# Allegro board RK3588S_Template_LP4XD556P164SD10H2_33X33_2133MHz_H1R0_V10_20220315YWQ.brd (continued)
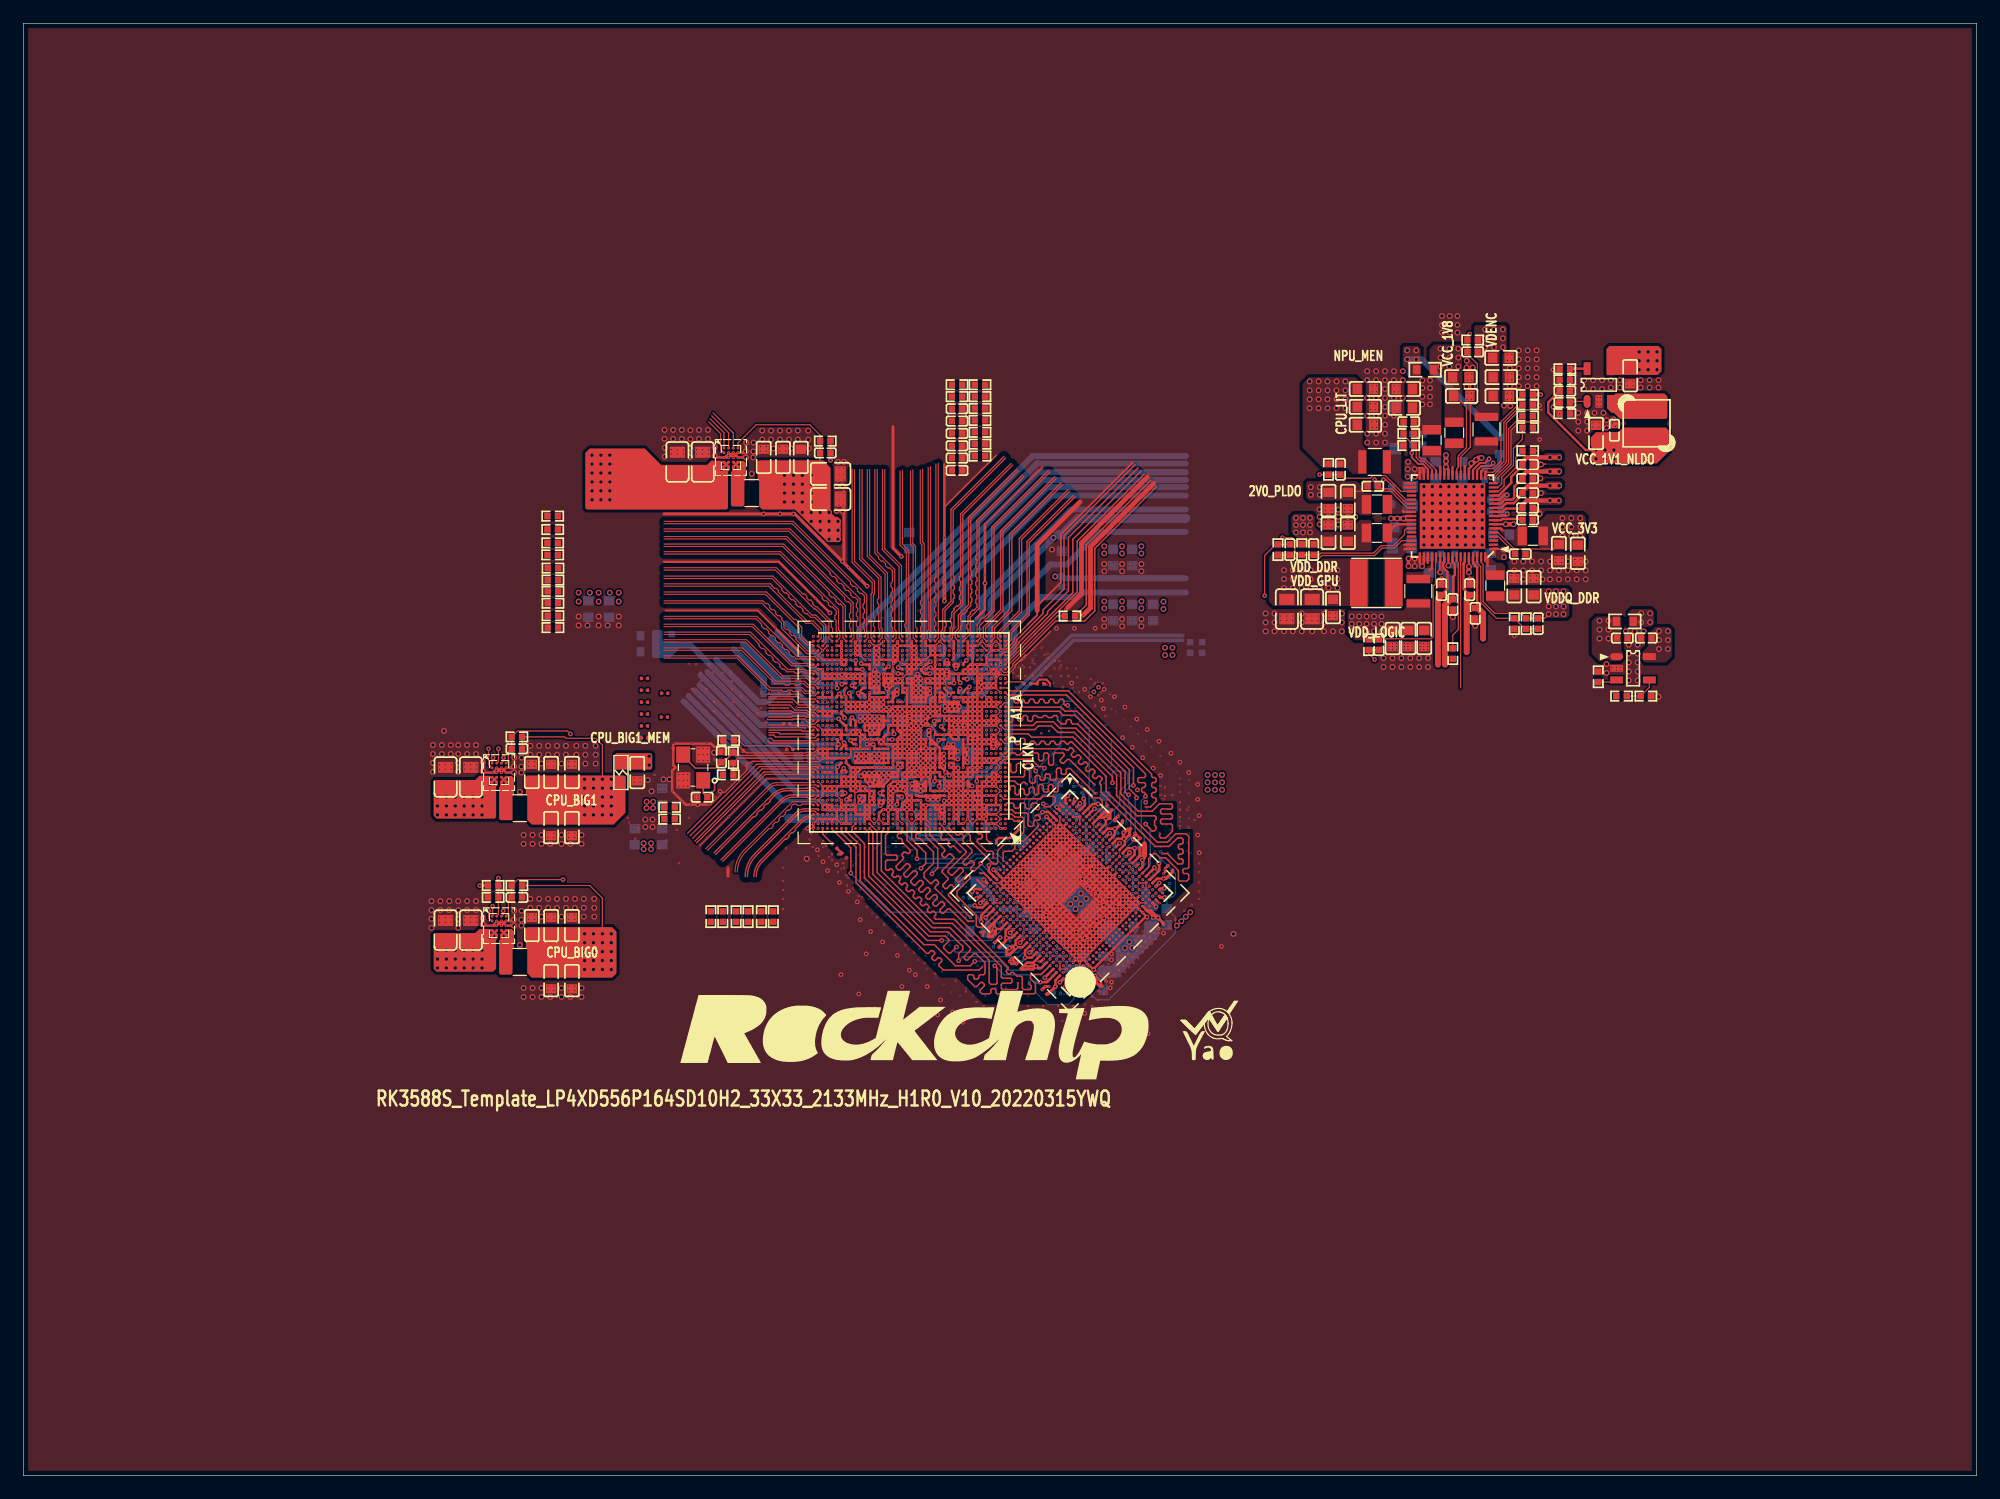
[diagram p0: board, top side]
## Routing (per net, layer and track width the routed paths; a pad name or vN(x,y) marks a point on that pad's centre or on a via; arc(x,y) is an arc through that point) (continued)
  L8-S3 w0.127: v4(77.5,69.04) 77.45,69.04 77.09,68.68 77.09,68.24 77.22,68.11 77.22,68.11
  L8-S3 w0.152: v3(74.8,52.96) 74.93,52.96 ; 74.93,52.96 75.06,52.96 v3(75.18,52.83) v3(75.18,53.21) ; 74.93,52.96 v3(75.18,53.21) ; v3(73.91,53.34) 73.91,53.22 v3(74.04,53.09) ; v3(73.91,53.34) 73.67,53.11 v3(73.51,53.11) ; v3(73.91,53.34) 73.9,53.35 v3(73.9,53.74) ; v3(75.18,53.21) 75.2,53.23 v3(75.2,53.73) ; v3(80.72,69.16) 80.62,69.06 v2(80.62,68.83) ; v6(95.26,57.14) 95.26,57.27 v2(95.12,57.4) ; v2(92.76,64.07) 92.7,64.14 v3(92.46,64.14) ; v3(74.55,53.72) v3(74.55,54.23)
  L8-S3 w0.203: v2(75.54,60.07) 75.54,59.97 75.39,59.82 75.34,59.87 75.32,59.86 v3(75.31,59.86) 75.32,59.84 75.34,59.84 75.39,59.79 75.39,59.69 75.26,59.56 v2(75.27,59.55) 75.26,59.54 75.23,59.54 75.21,59.51 v2(74.78,59.51) 74.7,59.51 v2(74.42,59.23) 74.37,59.18 v2(73.67,59.18) ; v3(80.14,54.93) 80.14,55.24 v2(80.26,55.37) v6(80.77,55.37) v6(81.15,55.37) 81.46,55.37 81.65,55.19 v2(81.65,54.77) ; v2(76.71,68.88) 76.56,68.88 v3(76.43,69.01) 76.43,69.45 v3(76.45,69.47) 76.68,69.7 v2(76.72,69.7) ; v2(75.74,67.72) 75.74,67.56 v6(75.87,67.44) ; v3(83.44,46.99) 83.44,47.02 v2(83.19,47.27) ; v2(75.01,61.04) 75.01,60.93 v3(75.23,60.71) 75.44,60.5 v2(75.49,60.5) ; v3(78.59,62.48) 78.59,62.71 v6(78.61,62.74) 78.84,62.97 v2(78.87,62.97) v2(79.27,62.97) ; v2(81.29,66.26) 81.04,66.01 ; 81.04,66.01 v3(80.7,66.01) ; 81.04,66.01 81.03,66 v3(81.03,65.99) 80.72,65.99 v3(80.7,66.01) ; v3(70.54,60.47) 72.14,60.47 v3(72.16,60.45) 72.24,60.45 72.26,60.47 72.88,60.47 72.9,60.45 ; v3(80.7,66.01) 80.7,66.04 v2(80.48,66.25) ; 72.19,56.08 72.07,56.08 72,56.01 v6(71.75,56.01) ; 72.19,56.08 72.29,56.08 ; 72.19,56.08 v6(72.01,56.26) ; 78.26,59.46 78.26,59.52 v2(78.44,59.71) 78.49,59.66 78.49,59.41 ; v6(69.09,62.36) 69.37,62.08 v3(69.47,62.08) 69.82,62.08 v3(69.85,62.1) 69.93,62.18 70.39,62.18 v2(70.54,62.33) ; v2(75.11,66.9) 75.11,67.13 v3(75.18,67.21) ; v2(73.56,62.43) 73.55,62.42 v2(73.12,62.42) ; v4(80.42,64.11) 80.42,64.11 v3(79.88,64.64) 79.76,64.77 79.76,65.2 v2(79.72,65.24) ; v2(70.84,60.71) 73.63,60.71 v2(73.69,60.76) ; v3(78.1,63.53) v3(78.1,63.32) ; v3(79.67,72.52) v2(79.67,72.19) ; v3(80.64,71.15) v2(80.85,70.94)
  L8-S3 w0.254: v2(68.66,54.1) 68.02,53.47 v4(67.84,53.47) 67.84,52.74 79.58,41 87.69,41 v2(87.77,41.07) ; v2(80.43,52.41) v6(80.43,52.07) 80.51,52 80.51,51.07 v3(80.52,51.05) ; v6(81.28,51.74) v6(81.28,52.07) 81.28,52.4 v2(81.28,52.4) ; v6(85.98,53.98) v6(86.23,53.72) v6(86.74,53.21) v6(87.13,52.82) 87.13,48.64 v4(86.87,48.38) ; v2(90.26,55.72) v3(89.92,55.72) ; v2(67.89,57.96) v2(67.39,57.96) v2(66.88,57.96) ; v2(67.89,57.96) 67.73,57.8 v6(67.13,57.8) 67.04,57.8 ; v2(67.89,57.96) 67.82,58.04 66.71,58.04 66.63,57.96 ; 66.63,57.96 v6(66.58,57.91) 66.69,57.8 67.04,57.8 ; 66.63,57.96 v2(66.88,57.96) ; v2(66.88,57.96) 67.04,57.8 ; v2(83.47,48.94) v3(83.47,49.28) ; 70.84,60.71 v2(70.84,60.71) ; v2(96.8,49.25) 96.9,49.36 v3(96.9,49.56) ; v2(89.94,42.4) 89.87,42.4 89.83,42.36 v3(89.64,42.36) ; v2(93.09,58.55) 92.96,58.55 v3(92.77,58.74) v3(92.33,59.18) v3(91.44,60.07)
  L8-S3 w0.305: v3(73.66,63.63) 73.79,63.75 v2(73.94,63.75)
  L9-GND3 w0.064: v4(80.04,67.74) 80.48,67.74 80.51,67.72 80.78,67.72 80.81,67.74 81.74,67.74 81.76,67.77 v4(81.79,67.77) ; 80.31,61.82 80.31,62.13 80.11,62.33 ; v6(71.25,65.28) 71.25,65.08 71.17,65 71.17,63.66 71.4,63.43 v4(71.4,63.35)
  L9-GND3 w0.076: v3(71.28,67.45) 70.97,67.15 70.97,66.66 v3(70.82,66.5) ; v10(80.3,49.39) 81.02,49.39 81.42,49.79 v6(81.51,49.79) ; 80.88,61.69 80.47,61.69 ; 89.95,46.07 89.95,45.28 v4(89.97,45.26) ; 72.42,61.98 72.36,61.92 72.36,61.1 72.64,60.81 72.67,60.81 ; v4(80.04,67.74) 79.62,67.33 v10(79.62,66.62) ; v6(94.36,57.53) 94.77,57.94 94.77,58.17 v4(95.18,58.59) 95.45,58.32 95.45,57.97 v4(95.88,57.53) ; 80.21,61.54 80.21,61.24 80.26,61.19 80.26,61.21 ; 79.84,62.3 79.77,62.3 79.71,62.23 79.67,62.23 79.43,61.99 v6(79.38,61.99) ; v3(81.71,51.46) 82.15,51.9 82.15,52.29 82.35,52.49 82.74,52.49 83.06,52.81 v6(83.06,52.96) ; v6(88.77,57.15) 88.78,57.15 89.54,57.91 89.54,57.93 89.74,58.12 89.75,58.12 90.04,58.42 v10(90.04,58.93) 90.22,58.75 90.22,57.48 v4(90.27,57.43) ; 76.25,58.39 76.25,58.57 76.33,58.65 76.33,59.28 76.53,59.49 ; 70.33,67.23 70.1,67.01 70.1,66.65 ; v10(86.27,44.63) 86.67,44.63 86.93,44.37 v10(87.74,44.37)
  L9-GND3 w0.102: v3(77.44,67.86) 77.02,67.44 77.02,66.27 v6(76.99,66.24) ; v6(73.02,64.01) 73,64.03 v6(72.54,64.03) 71.02,64.03 v3(70.92,63.93) ; v3(97.93,50) 97.75,49.82 97.19,49.82 96.93,49.56 v3(96.9,49.56) ; 79.18,60.44 78.97,60.44 78.92,60.5 78.38,60.5 78.36,60.52 78.26,60.42 ; v6(87.38,58.42) 86.84,58.96 86.84,60.05 86.84,60.06 86.84,60.4 v3(86.84,60.41) 86.84,60.74 v6(86.11,61.47) v6(85.85,61.72) ; 80.24,60.8 80.24,61.1 ; 74.6,57.78 74.75,57.78 75.03,57.51 75.06,57.51 ; 72.12,64 72.14,64 72.22,64.08 73.39,64.08 73.46,64.15 ; 80.47,61.69 80.42,61.69 ; v3(89.64,42.36) 89.42,42.14 89.42,41.43 v3(89.19,41.2) ; 78.87,68.85 78.79,68.85 78.69,68.75 v3(78.69,68.73) ; v10(80.39,66.29) 81.21,67.11 81.62,67.11 v4(81.87,67.36) ; 90.54,45.71 90.32,45.71 89.95,46.07 v4(89.95,46.44) ; 77.98,65.81 78,65.79 78.14,65.79 78.5,66.16 79.03,66.16 ; 72.09,59.58 72.19,59.68 72.92,59.68 74.13,58.47 v4(74.32,58.47) ; v4(93.93,49.22) 93.92,49.23 v4(92.75,49.23) ; 72.47,62.02 73.59,62.02
  BOTTOM w0.064: R1400.2 79.58,72.52 v3(79.67,72.52) ; 70.43,63.68 70.35,63.68 v3(70.33,63.7) ; 70.43,63.68 70.48,63.68 ; 70.43,63.68 C1023.2 ; v3(93.95,55.82) 93.89,55.77 93.89,55.68 v10(93.77,55.56) ; v3(79.2,64.82) 79.23,64.85 79.23,65.23 C1022.2 ; v3(93.19,52.91) 93.19,53.08 v3(93.24,53.12) ; 75.88,61.11 76.17,61.11 76.2,61.09 v3(76.33,61.09) ; v3(71.5,63.04) 71.55,63.04 71.7,63.19 71.78,63.19 C1025.2 ; C3741.2 91.98,55.59 91.85,55.73 v3(91.82,55.73) ; 71.88,59.21 71.73,59.21 v10(71.63,59.31) ; 77.44,67.81 77.58,67.81 v3(77.62,67.77) ; 70.62,68.96 70.62,68.99 C1611.2 ; v3(78.99,63.75) 79.12,63.63 79.12,63.52 ; C1029.2 70.96,63.91 70.94,63.93 v3(70.92,63.93) ; v3(70.87,70.87) 70.91,70.91 71.03,70.91 ; C1800.2 69.09,57.74 69.17,57.74 69.21,57.78 v3(69.34,57.78) ; 77.35,61.42 77.22,61.42 77.01,61.21 v3(76.99,61.21) 77.11,61.34 C1030.2
  BOTTOM w0.076: 92.08,55.85 91.79,56.14 91.79,56.29 91.57,56.51 v3(91.57,56.52)
  BOTTOM w0.102: 70.99,68.34 70.99,68.2 71,68.2 ; 70.99,68.34 71.02,68.36 ; 70.99,68.34 70.74,68.34 ; v3(72.9,66.42) 72.9,66.26 72.79,66.14 72.79,65.87 ; 71.91,59.21 71.88,59.21 C1003.2 ; C1017.2 71.82,67.52 71.82,67.55 ; 72.85,65.7 C1038.2 72.85,66.14 72.85,66.14 ; 72.85,65.7 72.85,65.3 72.86,65.29 v3(72.86,65.28) ; 72.85,65.7 73.01,65.7 73.41,65.3 v3(73.41,65.18) ; 70.87,68.33 70.87,68.3 70.97,68.2 71,68.2 ; 70.87,68.33 70.76,68.22 v3(70.74,68.22) ; 70.87,68.33 C1907.2 70.87,68.36 ; 78.13,67.61 77.88,67.36 77.88,67.38 77.88,67.39 v3(77.88,67.31) 77.88,67.03 v3(77.85,67.01) 77.93,67.01 77.95,67.03 78.11,67.03 ; v3(72.03,67.82) 72.03,67.73 71.85,67.55 71.82,67.55 ; v3(77.91,65.74) 77.91,65.75 78.43,66.27 v3(78.43,66.37) ; v3(85.72,55.24) 85.54,55.43 85.54,56.38 v3(85.54,56.39) v3(85.54,56.76) 85.54,57.85 86.23,58.54 86.23,59.57 86.11,59.69 86.11,60.04 v3(86.05,60.1) 86.05,60.22 86.4,60.58 86.8,60.58 v3(87.79,61.56) 88.58,62.36 v3(88.65,62.36) 88.65,65.76 89.05,66.17 89.66,66.17 92.96,62.87 92.96,60.71 92.71,60.45 v3(92.71,60.45) ; 78.11,67.03 78.13,67.01 ; 78.11,67.03 C1714.2 ; 70.39,63.83 70.39,63.77 70.48,63.68 70.48,63.8 v3(70.51,63.83) ; v3(82.93,55.24) 82.93,55.41 82.91,55.44 82.91,55.56 82.91,55.56 82.91,55.71 82.61,56.01 82.34,56.01 v4(82.23,56.13) ; 71,68.2 v3(71.08,68.2) ; v10(87.76,46.74) 87.7,46.68 v10(87.31,46.68) ; v10(66.93,61.98) 67.03,62.08 v3(69.47,62.08) ; v3(70.48,68.2) 70.32,68.36 70.26,68.36 ; C1600.2 70.26,68.36 ; 70.26,68.36 70.26,68.57 v3(70.15,68.68) ; 71.82,67.55 71.37,67.55 v3(71.28,67.45) ; v3(70.67,66.29) 70.67,66.35 v3(70.82,66.5) ; 70.62,68.99 70.59,68.99 70.49,68.88 v3(70.49,68.83) 70.62,68.96 70.62,68.86
  BOTTOM w0.152: 71.91,59.21 v10(72.11,59.41) ; v3(78.82,64.87) 78.58,64.87 78.23,65.22 v4(78.21,65.22) ; v3(82.68,47.75) 82.71,47.75 83.35,47.12
  BOTTOM w0.203: v4(73.9,67.91) 73.9,67.91 74.05,67.76 v3(74.05,67.51) ; 72.49,60.47 v3(72.52,60.45) ; 72.49,60.47 72.22,60.47 ; 72.49,60.47 72.54,60.47 72.83,60.76 ; v3(77.42,62.23) 77.42,62.57 77.79,62.94 77.79,63.25 77.96,63.42 ; 80.19,68.7 80.37,68.53 v10(80.42,68.53) ; 80.19,68.7 80.19,68.73 ; 80.19,68.7 80.19,68.66 v3(80.04,68.5) ; 70.36,56.77 70.83,56.77 v3(70.86,56.79) ; 70.36,56.77 v10(70.48,56.9) 70.69,57.1 v3(70.74,57.1) 70.74,57.31 v3(70.84,57.4) 70.86,57.39 v3(70.86,56.79) ; 70.36,56.77 v3(69.6,56.77) v3(69.21,56.77) v3(68.58,56.77) ; v3(70.86,56.79) 70.99,56.93 v3(70.99,57.1) 70.99,57.71 v10(71.02,57.73) ; v3(71.04,60.48) 71.35,60.48 v3(71.35,60.48) 71.38,60.45 71.61,60.45 71.63,60.47 ; C1015.2 71.63,60.47 ; 71.63,60.47 v3(71.89,60.47) 72.14,60.47 v3(72.16,60.45) ; 80.19,68.73 C1725.2 ; 80.19,68.73 80.19,68.76 ; v10(75.86,59.89) 75.39,59.79 ; 75.39,59.79 75.34,59.84 75.32,59.84 v3(75.31,59.86) ; 75.39,59.79 75.39,59.56 v3(74.97,59.14) v10(75.06,58.93) ; v3(73.76,66.45) v3(73.76,66.83) 73.77,66.83 v4(73.77,67.23) ; 72.83,60.76 72.85,60.79 v10(73.13,60.79) ; 72.83,60.76 C1075.2 ; v4(73.03,70.15) 73.05,70.15 73.3,69.9 ; v3(78.59,62.48) 78.61,62.51 78.61,63.1 79.04,63.52 79.12,63.52 C1221.2 ; v4(73.9,68.32) 73.89,68.32 73.77,68.2 73.59,68.2 C1041.2 ; 79.88,60.48 v4(79.86,60.45) 79.65,60.45 79.45,60.66 v3(79.45,60.74) 79.47,60.76 v3(79.88,60.76) 79.88,60.48
  BOTTOM w0.254: v10(83.29,51.93) 83.13,51.78 v4(82.89,51.78) ; v10(73.13,60.79) 73.52,60.79 v10(73.57,60.84) ; C1103.2 74.65,62.35 73.84,62.35 73.78,62.41 73.79,62.41 73.79,62.99 73.63,63.15 C1104.2 73.63,63.59 v3(73.66,63.63) ; v10(90.07,56.97) 90.27,57.16 v4(90.27,57.43) ; v4(81.76,48.92) 82.03,48.92 v10(82.25,49.14) ; v4(87.42,56.3) v10(87.17,56.05) C3720.2 ; v10(93.13,54.51) 93.13,54.57 v4(92.81,54.89) ; 71,60.47 v3(70.54,60.47) ; v10(84.68,46.09) 84.59,46.09 v4(84.3,46.38) ; 68.48,66.34 v10(68.15,66.34)
  BOTTOM w0.279: C1224.2 78.57,62.46 v3(78.59,62.48)
  vias: v1(35.54,60.75) v1(35.54,60.36) v1(35.54,47.66) v1(35.54,47.28) v1(36.05,60.75) v1(36.05,60.36) v1(36.05,47.66) v1(36.05,47.28) v1(36.56,60.75) v1(36.56,60.36) v1(36.56,47.66) v1(36.56,47.28) v1(37.7,60.75) v1(37.7,60.36) v1(37.7,47.66) v1(37.7,47.28) v1(38.21,60.75) v1(38.21,60.36) v1(38.21,47.66) v1(38.21,47.28) v1(38.72,60.75) v1(38.72,60.36) v1(38.72,47.66) v1(38.72,47.28) v1(43.16,61) v1(43.16,60.62) v1(43.16,47.92) v1(43.16,47.54) v1(43.67,61) v1(43.67,60.62) v1(43.67,47.92) v1(43.67,47.54) v1(44.81,61) v1(44.81,60.62) v1(44.81,54.9) v1(44.81,54.52) v1(44.81,47.92) v1(44.81,47.54) v1(44.81,41.82) v1(44.81,41.44) v1(45.32,61) v1(45.32,60.62) v1(45.32,54.9) v1(45.32,54.52) v1(45.32,47.92) v1(45.32,47.54) v1(45.32,41.82) v1(45.32,41.44) v1(46.59,61) v1(46.59,60.62) v1(46.59,54.9) v1(46.59,54.52) v1(46.59,47.92) v1(46.59,47.54) v1(46.59,41.82) v1(46.59,41.44) v1(47.1,61) v1(47.1,60.62) v1(47.1,54.9) v1(47.1,54.52) v1(47.1,47.92) v1(47.1,47.54) v1(47.1,41.82) v1(47.1,41.44) v1(51.64,56.18) v1(51.77,55.8) v1(52.18,59.6) v1(52.18,59.22) v1(52.27,54.41) v1(52.53,55.3) v1(52.69,59.6) v1(52.69,59.22) v1(53.04,58.98) v1(53.92,59.87) v1(54.31,53.64) v1(54.94,54.28) v1(55.35,87.67) v1(55.35,87.29) v1(55.83,55.17) v1(55.86,87.67) v1(55.86,87.29) v1(56,59.91) v1(56,59.4) v1(56,58.89) v1(56.01,52.32) v1(56.37,87.67) v1(56.37,87.29) v1(56.38,59.91) v1(56.38,59.4) v1(56.38,58.89) v1(56.76,59.91) v1(56.76,59.4) v1(56.76,58.89) v1(56.85,56.18) v1(57.39,58.13) v1(57.39,57.88) v1(57.51,87.67) v1(57.51,87.29) v1(57.7,62.12) v1(57.7,61.61) v1(57.7,61.1) v1(57.65,58.13) v1(57.65,57.88) v1(58.02,87.67) v1(58.02,87.29) v1(58.08,62.12) v1(58.08,61.61) v1(58.08,61.1) v1(58.53,87.67) v1(58.53,87.29) v1(58.46,62.12) v1(58.46,61.61) v1(58.46,61.1) v1(59.13,57.96) v1(59.81,61.94) v1(59.81,61.69) v1(60.83,56.9) v1(62.97,87.92) v1(62.97,87.54) v1(63,65.58) v1(63.48,87.92) v1(63.48,87.54) v1(64.63,87.92) v1(64.63,87.54) v1(64.9,51.94) v1(64.9,50.8) v1(64.9,50.04) v1(64.9,49.28) v1(64.9,48.39) v1(65.13,87.92) v1(65.13,87.54) v1(67.18,54.36) v1(67.44,53.72) v1(67.94,52.96) v1(68.33,54.23) v1(68.55,53.8) v1(68.83,52.83) v1(69.09,53.09) v1(69.09,52.58) v1(69.6,51.56) v1(69.68,86.09) v1(69.68,85.58) v1(69.68,85.07) v1(69.68,83.93) v1(69.68,83.42) v1(69.68,82.91) v1(70.06,86.09) v1(70.06,85.58) v1(70.06,85.07) v1(70.06,83.93) v1(70.06,83.42) v1(70.06,82.91) v1(70.31,51.31) v1(70.36,50.42) v1(70.48,51.05) v1(70.66,60.45) v1(70.87,50.16) v1(71.37,49.53) v1(71.63,49.4) v1(71.89,62.1) v1(76.33,69.7) v1(77.88,66.88) v1(77.98,68.07) v1(80.69,60.1) v1(81.08,60.07) v1(81.08,58.17) v1(81.49,66.5) v1(81.89,62.5) v1(82.98,45.59) v1(83.48,70.5) v1(83.89,71.7) v1(86.33,70.65) v1(86.99,70.74) v1(86.99,68.31) v1(87.25,70.1) v1(87.5,70.23) v1(87.5,69.85) v1(87.76,68.31) v1(88.14,69.6) v1(88.26,48.26) v1(88.39,47.37) v1(88.52,69.6) v1(88.52,68.96) v1(88.52,48.01) v1(88.65,69.22) v1(88.65,68.31) v1(88.77,48.26) v1(88.77,47.75) v1(88.77,38.86) v1(89.03,48.51) v1(89.03,47.62) v1(89.1,55.16) v1(89.15,68.96) v1(89.28,68.31) v1(89.28,48.26) v1(89.41,47.88) v1(89.53,47.14) v1(89.92,68.96) v1(90.04,68.2) v1(90.2,47.37) v1(90.3,46.48) v1(90.5,47.12) v1(90.55,48.26) v1(90.68,47.88) v1(90.68,46.61) v1(90.93,47.24) v1(91.06,49.78) v1(91.06,48.64) v1(91.06,48.26) v1(91.06,47.62) v1(91.19,68.07) v1(91.44,49.91) v1(91.44,49.53) v1(91.44,49.15) v1(91.57,67.69) v1(91.57,48.51) v1(91.69,50.16) v1(91.69,48.01) v1(91.82,40.64) v1(91.95,50.55) v1(91.95,48.89) v1(92.07,66.93) v1(92.07,50.29) v1(92.07,48.01) v1(92.2,67.69) v1(92.2,48.39) v1(92.33,41.15) v1(92.58,50.29) v1(92.58,44.32) v1(92.71,43.69) v1(92.84,43.05) v1(92.84,42.55) v1(93.22,42.8) v1(93.34,43.56) v1(93.47,44.07) v1(93.6,44.83) v1(93.6,43.18) v1(93.73,42.67) v1(93.85,44.45) v1(93.98,43.56) v1(94.11,43.05) v1(94.36,44.58) v1(94.36,43.94) v1(94.49,43.43) v1(94.74,44.32) v1(94.87,43.81) v1(95,46.36) v1(95,45.72) v1(95.12,44.83) v1(95.25,46.86) v1(95.25,46.1) v1(95.25,45.34) v1(95.25,44.2) v1(95.5,45.21) v1(95.63,46.48) v1(95.63,44.7) v1(95.76,46.1) v1(95.88,45.59) v1(96.01,45.09) v1(96.14,46.48) v1(96.27,45.97) v1(96.39,45.47) v1(96.65,46.36) v1(96.77,45.85) v1(97.03,46.36) v1(97.16,58.17) v1(97.41,57.78) v1(100.46,52.32) v1(100.46,51.56) v1(100.46,50.67) v1(100.46,49.91) v1(107.42,73.45) v1(107.42,73.06) v1(107.93,73.45) v1(107.93,73.06) v1(108.44,73.45) v1(108.44,73.06) v1(109.58,73.45) v1(109.58,73.06) v1(110.09,73.45) v1(110.09,73.06) v1(110.6,73.45) v1(110.6,73.06) v1(111.23,82.84) v1(111.23,82.46) v1(111.23,81.45) v1(111.23,81.07) v1(111.62,73.7) v1(111.62,73.32) v1(111.74,82.84) v1(111.74,82.46) v1(111.74,81.45) v1(111.74,81.07) v1(112.12,73.7) v1(112.12,73.32) v1(112.89,82.84) v1(112.89,82.46) v1(112.89,81.45) v1(112.89,81.07) v1(113.39,82.84) v1(113.39,82.46) v1(113.39,81.45) v1(113.39,81.07) v1(114.84,84.53) v1(115.1,91.58) v1(115.1,91.08) v1(115.23,93.11) v1(115.23,92.6) v1(115.23,90.06) v1(115.23,89.55) v1(115.48,91.58) v1(115.48,91.08) v1(115.61,93.11) v1(115.61,92.6) v1(115.61,90.06) v1(115.61,89.55) v1(117.13,93.11) v1(117.13,92.6) v1(117.13,91.46) v1(117.13,90.95) v1(117.35,88.27) v1(117.51,93.11) v1(117.51,92.6) v1(117.51,91.46) v1(117.51,90.95) v1(123.36,94.12) v1(123.36,93.62) v1(123.36,92.47) v1(123.36,91.97) v1(123.74,94.12) v1(123.74,93.62) v1(123.74,92.47) v1(123.74,91.97) v1(126.79,95.78) v1(126.79,95.27) v1(126.79,94.12) v1(126.79,93.62) v1(126.79,92.47) v1(126.79,91.97) v1(127.11,76.87) v1(127.11,76.49) v1(127.17,95.78) v1(127.17,95.27) v1(127.17,94.12) v1(127.17,93.62) v1(127.17,92.47) v1(127.17,91.97) v1(127.62,76.87) v1(127.62,76.49) v1(128.76,76.87) v1(128.76,76.49) v1(129.27,76.87) v1(129.27,76.49) v1(130.92,78.4) v1(130.92,78.02) v1(131.43,78.4) v1(131.43,78.02) v1(132.57,78.27) v1(132.57,77.89) v1(133.08,78.27) v1(133.08,77.89) v1(134.09,89.96) v1(134.09,89.57) v1(134.48,92.11) v1(134.48,91.73) v1(134.48,91.35) v1(134.6,89.96) v1(134.6,89.57) v1(134.73,92.11) v1(134.73,91.73) v1(134.73,91.35) v1(135.72,69.07) v1(135.72,68.82) v1(135.74,89.91) v1(136.01,89.64) v1(136.1,69.07) v1(136.1,68.82) v1(136.49,69.07) v1(136.49,68.82) v1(137.02,93.51) v1(137.02,93.13) v1(137.52,93.51) v1(137.52,93.13) v2(59.31,68.6) v2(60.45,69.31) v2(65.25,81.44) v2(67.44,79.25) v2(69.72,77.22) v2(69.9,57) v2(70.36,56.95) v2(70.46,68.53) v2(70.95,71.68) v2(70.99,57.73) v2(71.17,62.41) v2(71.58,62.41) v2(71.88,65.38) v2(72.09,76.96) v2(72.19,68.28) v2(72.37,57.4) v2(72.46,67.14) v2(72.92,67.14) v2(73.15,56.74) v2(73.25,68.94) v2(73.33,67.14) v2(73.33,63.96) v2(73.51,57.81) v2(73.56,67.69) v2(73.61,64.64) v2(73.63,61.59) v2(73.63,61.19) v2(73.69,58.42) v2(73.86,58.01) v2(73.91,57.3) v2(74.02,61.82) v2(74.02,61.42) v2(74.09,60.76) v2(74.29,64.24) v2(74.52,61.01) v2(74.65,56.85) v2(74.75,58.52) v2(74.86,61.59) v2(75.03,62.99) v2(75.06,80.39) v2(75.11,62.23) v2(75.29,64.87) v2(75.34,64.01) v2(75.27,61.59) v2(75.26,58.98) v2(75.44,60.96) v2(75.46,62.94) v2(75.46,62.51) v2(75.67,61.59) v2(75.95,72.03) v2(75.96,60.05) v2(76.05,66.16) v2(76.08,61.59) v2(76.71,69.29) v2(76.66,66.37) v2(76.71,62.15) v2(76.71,60.45) v2(76.88,59.86) v2(77.17,68.09) v2(77.27,60.43) v2(77.7,65.27) v2(77.71,61.54) v2(77.7,60.42) v2(78.14,67.52) v2(78.13,67.11) v2(78.13,66.71) v2(78.12,66.3) v2(78.13,61.65) v2(78.16,61.16) v2(78.16,60.76) v2(78.18,50.24) v2(78.36,48.77) v2(79.31,65.24) v2(79.63,57.17) v2(79.63,56.77) v2(80.03,44.51) v2(80.07,66.26) v2(80.21,68.83) v2(80.88,66.26) v2(81.43,68.84) v2(81.43,60.83) v2(82.43,43.56) v2(83.06,69.34) v2(83.69,62.94) v2(88.14,47.75) v2(88.79,47.31) v2(88.83,41.27) v2(89.38,47.55) v2(89.53,69.09) v2(90.42,68.96) v2(90.53,44.85) v2(90.55,47.5) v2(91.06,68.45) v2(91.57,44.7) v2(92.07,45.21) v2(92.58,45.72) v2(93.22,46.36) v2(93.73,46.86) v2(94.23,47.37) v2(94.52,48.62) v2(94.74,47.75) v3(66.67,55.24) v3(66.8,67.06) v3(66.93,63.37) v3(66.93,63.12) v3(67.18,66.93) v3(67.18,63.37) v3(67.18,63.12) v3(67.56,67.06) v3(67.94,66.93) v3(68.33,53.72) v3(68.35,67.02) v3(68.45,68.71) v3(68.58,63.37) v3(68.58,54.84) v3(68.71,69.09) v3(68.71,68.71) v3(68.71,67.06) v3(68.88,57.86) v3(68.96,68.92) v3(68.96,62.99) v3(68.96,57.53) v3(69.21,68.71) v3(69.34,68.96) v3(69.34,57.53) v3(69.53,68.67) v3(69.57,65.99) v3(69.6,53.21) v3(69.7,70.14) v3(69.65,68.92) v3(69.72,68.71) v3(69.7,57.76) v3(69.72,57.53) v3(69.82,65.99) v3(69.85,66.29) v3(69.85,54.84) v3(69.85,53.34) v3(69.88,52.7) v3(69.85,51.82) v3(69.95,63.93) v3(69.98,52.32) v3(70.05,70.05) v3(70.11,66.52) v3(70.11,65.99) v3(70.36,51.18) v3(70.48,70.74) v3(70.48,70.48) v3(70.48,70.23) v3(70.48,69.85) v3(70.48,60.2) v3(70.56,58.6) v3(70.74,60.33) v3(70.74,54.23) v3(70.84,63.35) v3(70.84,58.52) v3(70.87,71.12) v3(70.87,70.61) v3(70.9,70.27) v3(71.07,70.64) v3(71.04,63.27) v3(71.12,62.74) v3(71.12,54.61) v3(71.22,62.99) v3(71.25,54.23) v3(71.38,67.79) v3(71.38,65.82) v3(71.45,68.35) v3(72.14,71.12) v3(72.06,70.87) v3(72.06,70.52) v3(72.26,72.14) v3(72.29,58.19) v3(72.39,70.99) v3(72.39,55.37) v3(72.52,72.01) v3(72.52,71.63) v3(72.52,71.37) v3(72.52,48.01) v3(72.57,58.27) v3(72.64,58.04) v3(72.64,55.37) v3(72.77,58.19) v3(72.9,55.5) v3(72.9,48.64) v3(73.02,71.12) v3(72.95,62.92) v3(73.02,55.75) v3(73.15,71.88) v3(73.15,71.63) v3(73.18,66.22) v3(73.19,62.74) v3(73.15,55.5) v3(73.3,71.12) v3(73.28,69.86) v3(73.35,62.87) v3(73.38,62.67) v3(73.44,58.73) v3(73.41,55.88) v3(73.53,46.99) v3(73.65,56.42) v3(73.66,56.13) v3(73.66,47.88) v3(73.76,57.63) v3(73.86,65.96) v3(73.91,58.67) v3(73.91,56.26) v3(74.04,58.93) v3(74.02,58.42) v3(74.04,57.63) v3(74.12,57.84) v3(74.22,68) v3(74.17,58.17) v3(74.24,66.37) v3(74.29,65.96) v3(74.42,70.61) v3(74.35,68.22) v3(74.4,58.8) v3(74.5,69.77) v3(74.5,69.52) v3(74.47,65.68) v3(74.5,64.97) v3(74.55,71.25) v3(74.55,58.27) v3(74.55,45.97) v3(74.68,69.98) v3(74.65,64.31) v3(74.68,46.86) v3(74.8,71.25) v3(74.8,70.48) v3(74.84,70.2) v3(74.78,65.69) v3(74.93,63.63) v3(74.93,63.37) v3(75.09,80.09) v3(75.06,65.84) v3(75.06,62.66) v3(75.31,63.25) v3(75.26,61.26) v3(75.44,80.77) v3(75.44,80.52) v3(75.44,80.26) v3(75.41,65.66) v3(75.44,65.41) v3(75.44,65.15) v3(75.44,46.1) v3(75.56,63.25) v3(75.64,61.26) v3(75.56,44.96) v3(75.69,80.77) v3(75.69,80.52) v3(75.69,80.26) v3(75.69,65.28) v3(75.69,60.76) v3(75.67,57.76) v3(75.69,56.52) v3(75.82,57.53) v3(75.82,56.77) v3(75.95,80.77) v3(75.95,80.52) v3(75.95,80.26) v3(76,63.6) v3(75.95,57.15) v3(75.95,52.96) v3(75.95,45.59) v3(76.07,65.28) v3(76.1,64.67) v3(76.07,64.31) v3(76.07,57.66) v3(76.2,63.6) v3(76.15,60.75) v3(76.2,57.4) v3(76.2,56.9) v3(76.2,56.46) v3(76.2,51.18) v3(76.33,56.64) v3(76.3,51.82) v3(76.35,61.77) v3(76.35,61.44) v3(76.4,59.72) v3(76.38,57.71) v3(76.45,64.31) v3(76.45,57.4) v3(76.45,57.15) v3(76.45,56.46) v3(76.45,44.07) v3(76.56,63.53) v3(76.61,62.87) v3(76.58,62.61) v3(76.69,65.42) v3(76.66,64.89) v3(76.71,57.15) v3(76.66,56.74) v3(76.66,56.34) v3(76.83,65.13) v3(76.94,62.38) v3(76.91,61.87) v3(76.94,60.17) v3(76.99,60.58) v3(77.22,60.07) v3(77.22,43.31) v3(77.29,65.59) v3(77.32,64.64) v3(77.47,59.82) v3(77.6,65.66) v3(77.6,49.91) v3(77.8,68.12) v3(77.8,67.87) v3(77.83,60.76) v3(77.9,69.26) v3(77.94,65.07) v3(77.85,50.16) v3(77.85,49.28) v3(77.98,70.1) v3(77.98,65.46) v3(77.98,50.93) v3(77.98,50.55) v3(77.98,49.66) v3(77.98,42.55) v3(78.05,69.74) v3(78.1,69.47) v3(78.05,68.02) v3(78.1,49.15) v3(78.23,68.96) v3(78.23,68.33) v3(78.31,68.02) v3(78.36,69.22) v3(78.38,68.66) v3(78.49,66.67) v3(78.49,55.63) v3(78.49,49.15) v3(78.56,68.38) v3(78.61,41.91) v3(78.69,69.14) v3(78.66,57.1) v3(78.74,56.01) v3(78.74,48.89) v3(78.74,48.64) v3(78.84,57.3) v3(78.91,69.04) v3(78.87,56.77) v3(78.99,57.02) v3(78.99,56.13) v3(78.99,49.02) v3(78.99,46.23) v3(79.04,65.02) v3(79.04,64.63) v3(79.25,64.41) v3(79.25,63.75) v3(79.25,57.28) v3(79.25,57.02) v3(79.25,56.77) v3(79.25,53.59) v3(79.25,48.77) v3(79.25,46.1) v3(79.25,41.27) v3(79.38,53.09) v3(79.5,64.64) v3(79.62,54) v3(79.71,64.52) v3(79.76,63.7) v3(79.76,54.74) v3(79.88,68.07) v3(79.88,63.5) v3(80.01,53.98) v3(80.01,41.02) v3(80.06,69.55) v3(80.06,69.29) v3(80.14,53.34) v3(80.26,63.83) v3(80.26,63.5) v3(80.37,69.19) v3(80.39,63.25) v3(80.39,53.98) v3(80.52,63.75) v3(80.52,51.44) v3(80.52,50.67) v3(80.52,50.29) v3(80.52,49.78) v3(80.59,62.91) v3(80.64,63.5) v3(80.77,64.01) v3(80.77,53.21) v3(80.9,63.75) v3(81.03,63.37) v3(81.15,41.02) v3(81.28,63.88) v3(81.28,63.63) v3(81.28,63.37) v3(81.31,62.53) v3(81.41,54.48) v3(81.64,62.53) v3(81.66,63.88) v3(81.66,63.5) v3(81.66,62.99) v3(81.74,53.39) v3(81.69,48.51) v3(81.91,63.12) v3(81.86,62.53) v3(82.04,63.88) v3(82.04,63.5) v3(82.04,62.87) v3(82.04,43.56) v3(82.16,64.39) v3(82.17,62.61) v3(82.17,41.02) v3(82.3,64.24) v3(82.3,63.88) v3(82.3,63.5) v3(82.3,63.12) v3(82.37,61.04) v3(82.42,48.89) v3(82.5,64.44) v3(82.55,64.24) v3(82.55,63.88) v3(82.55,63.5) v3(82.8,64.52) v3(82.8,64.24) v3(82.8,63.88) v3(82.8,63.5) v3(82.8,50.42) v3(83.06,55.5) v3(83.06,54.36) v3(83.06,53.98) v3(83.06,53.47) v3(83.06,50.16) v3(83.11,49.84) v3(83.18,54.74) v3(83.31,63.37) v3(83.34,49.53) v3(83.31,41.02) v3(83.44,65.53) v3(83.4,62.99) v3(83.44,54.23) v3(83.57,65.02) v3(83.57,64.39) v3(83.57,63.88) v3(83.57,63.25) v3(83.69,53.47) v3(83.82,54.23) v3(83.95,52.83) v3(84.2,54.23) v3(84.2,53.47) v3(84.2,52.58) v3(84.33,51.44) v3(84.45,53.85) v3(84.49,47.79) v3(84.58,52.96) v3(84.58,52.2) v3(84.58,51.05) v3(84.71,41.02) v3(84.84,53.47) v3(84.96,51.82) v3(84.96,50.93) v3(85.09,68.33) v3(85.09,52.45) v3(85.22,53.09) v3(85.6,52.7) v3(85.57,48.99) v3(85.72,51.31) v3(85.82,50.69) v3(85.85,49.02) v3(85.85,41.02) v3(86.03,50.91) v3(86.06,50.45) v3(86.23,54.74) v3(86.26,58.42) v3(86.25,50.66) v3(86.74,54.23) v3(87.12,53.85) v3(87.63,41.4) v3(87.76,47.75) v3(87.85,42.77) v3(88.14,48.13) v3(88.14,43.05) v3(88.34,53.62) v3(88.39,52.83) v3(88.43,48.32) v3(88.52,47.5) v3(88.55,43.29) v3(88.67,53.62) v3(88.65,47.75) v3(88.77,61.98) v3(88.77,52.83) v3(88.77,48.01) v3(89.03,47.75) v3(89.05,56.16) v3(89.15,66.55) v3(89.28,66.29) v3(89.41,67.18) v3(89.41,62.23) v3(89.41,60.83) v3(89.35,56.08) v3(89.53,45.21) v3(89.66,67.31) v3(89.66,60.83) v3(89.66,55.75) v3(89.79,66.93) v3(89.92,62.99) v3(89.92,61.85) v3(89.92,60.83) v3(89.96,42.07) v3(90.04,59.94) v3(90.18,53.76) v3(90.21,47.36) v3(90.3,62.48) v3(90.42,62.74) v3(90.35,44.2) v3(90.53,47.12) v3(90.55,61.21) v3(90.55,57.15) v3(90.55,56.9) v3(90.55,45.34) v3(90.7,62.08) v3(90.68,60.83) v3(90.68,52.7) v3(90.66,50.58) v3(90.65,44.58) v3(90.65,44.2) v3(90.8,57.4) v3(90.8,56.77) v3(90.79,56.3) v3(90.8,46.86) v3(90.93,52.7) v3(90.93,45.47) v3(90.93,45.09) v3(90.96,44.58) v3(90.96,44.2) v3(91.06,66.93) v3(91.06,56.13) v3(91.06,50.8) v3(91.19,67.31) v3(91.44,67.56) v3(91.44,61.47) v3(91.44,59.05) v3(91.4,54.68) v3(91.44,51.44) v3(91.44,43.94) v3(91.57,45.47) v3(91.57,45.09) v3(91.57,44.32) v3(91.69,61.47) v3(91.82,67.82) v3(92,44.58) v3(92,44.2) v3(92.07,45.59) v3(92.07,41.81) v3(92.07,41.5) v3(92.07,41.2) v3(92.2,67.69) v3(92.2,60.96) v3(92.3,44.58) v3(92.3,44.2) v3(92.46,44.96) v3(92.46,41.81) v3(92.46,41.5) v3(92.46,41.2) v3(92.61,44.58) v3(92.61,44.2) v3(92.66,51.61) v3(92.96,65.53) v3(93.09,47.75) v3(93.47,48.01) v3(93.47,47.62) v3(93.47,47.24) v3(93.73,47.24) v3(93.85,48.77) v3(93.85,47.5) v3(93.98,49.53) v3(93.98,48.39) v3(93.98,48.01) v3(93.98,47.75) v3(93.98,47.12) v3(94.11,46.74) v3(94.23,49.4) v3(94.23,48.39) v3(94.23,46.99) v3(94.36,48.01) v3(94.36,47.75) v3(94.61,48.34) v3(94.59,47.45) v3(94.61,47.19) v3(94.61,46.89) v3(94.61,46.58) v3(95,48.97) v3(95,48.67) v3(95,48.36) v3(95,48.01) v3(95,47.5) v3(95,47.19) v3(95,46.89) v3(95,46.58) v3(95.12,47.75) v3(95.38,48.89) v3(95.38,48.64) v3(95.38,48.39) v3(95.66,50.55) v3(95.92,50.71) v3(96.14,50.93) v3(96.27,51.18) v3(96.52,51.51) v3(97.38,47.24) v3(97.38,46.86) v3(97.54,53.09) v3(97.69,47.24) v3(97.69,46.86) v3(97.93,50.58) v3(97.92,50.29) v3(97.99,47.24) v3(97.99,46.86) v3(99.69,53.21) v3(118.67,88.97) v4(68.33,52.45) v4(68.71,51.69) v4(69.49,52.2) v4(69.72,50.67) v4(69.85,42.8) v4(70.48,49.91) v4(71.25,49.02) v4(71.37,41.15) v4(71.5,47.5) v4(72.01,44.58) v4(72.39,46.48) v4(72.77,39.88) v4(73.41,45.59) v4(74.68,44.45) v4(75.06,41.78) v4(75.69,43.18) v4(76.2,42.8) v4(77.22,41.78) v4(78.1,39.37) v4(78.36,40.64) v4(78.89,68.48) v4(79.38,39.62) v4(80.26,38.73) v4(80.7,58.06) v4(81.41,57.91) v4(86.36,38.73) v4(87.76,38.73) v4(88.26,72.39) v4(89.53,38.73) v4(89.56,67.72) v4(89.79,72.39) v4(90.93,50.16) v4(91.57,72.39) v4(91.68,47.37) v4(92.29,65.53) v4(92.3,48.77) v4(92.33,47.62) v4(92.86,41.67) v4(92.96,44.58) v4(92.96,44.07) v4(92.96,42.16) v4(93.22,66.55) v4(94.11,65.66) v4(95.12,64.64) v4(95.2,38.28) v4(96.01,63.75) v4(96.09,37.77) v4(97.03,62.74) v4(97.41,46.36) v4(98.04,61.72) v4(98.81,60.96) v4(100.46,56.39) v4(100.46,53.21) v4(102.36,45.21) v4(127.38,71.75) v4(129.54,91.44) v4(129.54,88.52) v4(130.68,94.49) v4(135.89,90.3) v5(34.86,49.08) v5(34.86,48.32) v5(34.86,47.56) v5(34.86,46.8) v5(34.99,62.42) v5(34.99,61.66) v5(34.99,60.89) v5(34.99,60.13) v5(35.62,49.08) v5(35.62,48.32) v5(35.75,62.42) v5(35.75,61.66) v5(35.94,63.63) v5(36.39,49.08) v5(36.39,48.32) v5(36.51,62.42) v5(36.51,61.66) v5(37.15,62.42) v5(37.15,61.66) v5(37.15,60.89) v5(37.15,60.13) v5(37.15,49.08) v5(37.15,48.32) v5(37.15,47.56) v5(37.15,46.8) v5(37.91,62.42) v5(37.91,61.66) v5(37.91,49.08) v5(37.91,48.32) v5(38.67,62.42) v5(38.67,61.66) v5(38.67,49.08) v5(38.67,48.32) v5(39.24,60.97) v5(39.24,47.63) v5(41.94,48.26) v5(42.42,58.42) v5(42.42,45.34) v5(42.57,61.34) v5(42.54,60.58) v5(42.54,60.07) v5(42.57,48.26) v5(42.54,47.5) v5(42.54,46.99) v5(42.74,54.74) v5(42.74,53.98) v5(42.74,41.66) v5(42.74,40.89) v5(43.31,62.36) v5(43.31,61.59) v5(43.31,49.28) v5(43.31,48.51) v5(43.5,54.74) v5(43.5,53.98) v5(43.5,41.66) v5(43.5,40.89) v5(44.07,62.36) v5(44.07,61.59) v5(44.07,49.28) v5(44.07,48.51) v5(44.26,60.83) v5(44.26,54.74) v5(44.26,53.98) v5(44.26,47.75) v5(44.26,41.66) v5(44.26,40.89) v5(44.83,62.36) v5(44.83,61.59) v5(44.83,49.28) v5(44.83,48.51) v5(45.02,53.98) v5(45.02,40.89) v5(45.59,62.36) v5(45.59,61.59) v5(45.59,49.28) v5(45.59,48.51) v5(45.97,60.83) v5(45.97,54.74) v5(45.97,53.98) v5(45.97,47.75) v5(45.97,41.66) v5(45.97,40.89) v5(46.35,62.36) v5(46.35,61.59) v5(46.35,49.28) v5(46.35,48.51) v5(46.74,53.98) v5(46.74,40.89) v5(47.12,49.28) v5(47.12,48.51) v5(47.24,62.36) v5(47.24,61.59) v5(47.43,73.41) v5(47.43,72.64) v5(47.69,54.74) v5(47.69,53.98) v5(47.69,41.66) v5(47.69,40.89) v5(47.88,49.28) v5(47.88,48.51) v5(47.88,47.75) v5(48.01,62.36) v5(48.01,61.59) v5(48.01,60.83) v5(48.2,72.64) v5(48.77,49.28) v5(48.77,48.51) v5(48.77,47.75) v5(48.89,62.36) v5(48.89,61.59) v5(48.89,60.83) v5(49.15,73.41) v5(49.15,72.64) v5(49.91,72.64) v5(50.86,73.41) v5(50.86,72.64) v5(53.14,56.06) v5(53.14,55.42) v5(53.34,59.44) v5(53.67,58.47) v5(53.75,56.06) v5(53.75,55.42) v5(54.69,59.49) v5(54.78,89.34) v5(54.78,88.58) v5(54.8,87.82) v5(54.8,87.06) v5(55.19,59.49) v5(55.51,89.34) v5(55.51,88.58) v5(56.25,89.34) v5(56.25,88.58) v5(56.98,89.32) v5(56.98,88.56) v5(56.98,87.8) v5(56.98,87.03) v5(57.72,89.34) v5(57.72,88.58) v5(58.48,89.34) v5(58.48,88.58) v5(59,61.77) v5(59.06,87.89) v5(62.23,85.6) v5(62.38,88.27) v5(62.36,87.5) v5(62.36,87) v5(63.12,89.28) v5(63.12,88.52) v5(63.88,89.28) v5(63.88,88.52) v5(64.07,87.76) v5(64.64,89.28) v5(64.64,88.52) v5(65.4,89.28) v5(65.4,88.52) v5(65.6,87.76) v5(66.17,89.28) v5(66.17,88.52) v5(66.93,52.7) v5(67.06,89.28) v5(67.06,88.52) v5(67.12,87.76) v5(69.47,84.58) v5(69.47,82.42) v5(69.6,86.61) v5(69.98,84.58) v5(69.98,82.42) v5(70.1,86.61) v5(87.88,79.12) v5(92.34,77.88) v5(92.34,77.27) v5(92.34,73.18) v5(92.34,72.57) v5(93.87,77.88) v5(93.87,77.27) v5(93.87,73.18) v5(93.87,72.57) v5(95.52,77.88) v5(95.52,77.27) v5(95.52,73.18) v5(95.52,72.57) v5(103.39,46.28) v5(106.13,73.66) v5(106.13,72.9) v5(106.13,72.14) v5(106.89,73.66) v5(106.89,72.9) v5(106.89,72.14) v5(107.7,72.14) v5(108.46,72.14) v5(109.22,73.66) v5(109.22,72.9) v5(109.22,72.14) v5(110.11,72.14) v5(110.74,82.55) v5(110.74,81.91) v5(110.74,81.28) v5(111.12,73.66) v5(111.12,72.9) v5(111.12,72.14) v5(111.51,81.91) v5(111.89,72.14) v5(112.34,82.53) v5(112.34,81.91) v5(112.34,81.26) v5(112.65,73.66) v5(112.65,72.9) 